# Altium PCB QTouch_test2.PcbDoc (continued)
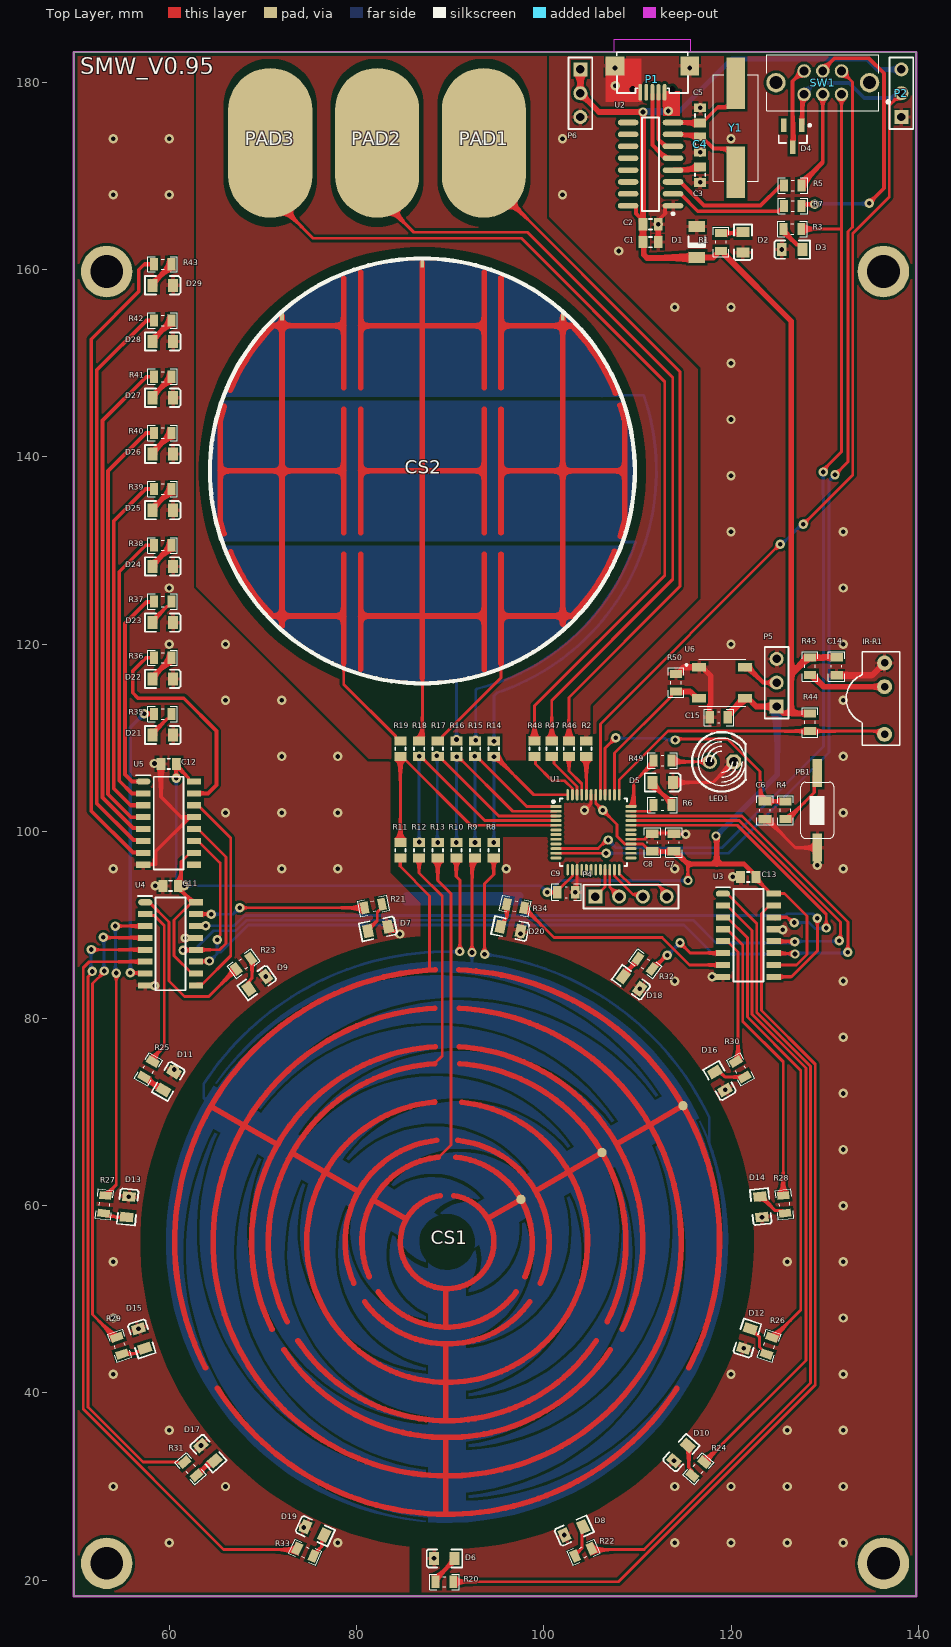
[diagram p0: Top Layer view]
## Part data
C1 C2 C3 C4 C5 C11 C12 C13: library part Cap, "CAP SMD 0805", LatestRevisionDate=17-Jul-2002, LatestRevisionNote="Re-released for DXP Platform.", PackageDescription="Radial Cap, Thru-Hole; 2 Leads; 0.3 in Pin Spacing", PackageReference=RAD-0.3, Published=8-Jun-2000, Publisher="Altium Limited"
C6 C7 C8 C9 C10 C15: library part "Cap ceramic", "CAP seramic"
C14: library part Cap, "CAP SMD 0603", LatestRevisionDate=17-Jul-2002, LatestRevisionNote="Re-released for DXP Platform.", PackageDescription="Radial Cap, Thru-Hole; 2 Leads; 0.3 in Pin Spacing", PackageReference=RAD-0.3, Published=8-Jun-2000, Publisher="Altium Limited"
CS1 CS2: library part "Header 6", "3 by 3 2D touch surface", LatestRevisionDate=17-Jul-2002, LatestRevisionNote="Re-released for DXP Platform.", Publisher="Altium Limited"
D1: "Zener Diode", Voltage="5.1 V", Company=E.P.I.L, Design Date=2011/11/02, Designer="Saeid Jorablo"
D2 D5: library part LED0, "LED SMD 0805 GREEN", LatestRevisionDate=08-Jul-2005, LatestRevisionNote="Mech Layer 1 removed.", PackageDescription="LED; 2 Leads", PackageReference=LED-0, Published=8-Jun-2000, Publisher="Altium Limited"
D3 D6 D7 D8 D9 D10 D11 D12 D13 D14 D15 D16 D17 D18 D19 D20 D21 D22 D23 D24 D25 D26 D27 D28 D29: library part LED0, "LED SMD 0805 RED", LatestRevisionDate=08-Jul-2005, LatestRevisionNote="Mech Layer 1 removed.", PackageDescription="LED; 2 Leads", PackageReference=LED-0, Published=8-Jun-2000, Publisher="Altium Limited"
IR-R1: library part "Header 3H", "Header, 3-Pin, Right Angle", LatestRevisionDate=17-Jul-2002, LatestRevisionNote="Re-released for DXP Platform.", Publisher="Altium Limited"
LED1: library part LED-W
P1: library part "USB MICRO", "USB Connector MICRO-B Type", Max Current=1600mA, Category=Connector, ComponentLink1Description=Datasheet, ComponentLink2Description=Reference, Designer="ABBAS BASEREH", Mounting Technology="Surface Mount\Through-Hole", Pin Count=5-7, Publisher="ABBAS BASEREH", Status=Unreleased, Update=1395-11-17
P2 P5 P6: "Header, 3-Pin", LatestRevisionDate=17-Jul-2002, LatestRevisionNote="Re-released for DXP Platform.", Publisher="Altium Limited"
P4: "Header, 4-Pin", LatestRevisionDate=17-Jul-2002, LatestRevisionNote="Re-released for DXP Platform.", Publisher="Altium Limited"
PAD1 PAD2 PAD3: library part "Test Point"
R1 R2 R3 R4 R5 R6 R7 R8 R9 R10 R11 R12 R13 R14 R15 R16 R17 R18 R19 R46 R47 R48 R50: library part Res1, "Resistor", LatestRevisionDate=17-Jul-2002, LatestRevisionNote="Re-released for DXP Platform.", PackageDescription="Axial Device, Thru-Hole; 2 Leads; 0.3 in Pin Spacing", PackageReference=AXIAL-0.3, Published=8-Jun-2000, Publisher="Altium Limited"
R20 R21 R22 R23 R24 R25 R26 R27 R28 R29 R30 R31 R32 R33 R34 R35 R36 R37 R38 R39 R40 R41 R42 R43 R44 R45 R49: library part Resistor, "RES SMD 0603", Part Number=RCS0805100KFKEA
SW1: library part "Switch - DPDT", "DPDT Switch"
U2: "USB Interface Integrated Circuit", Package=None, Availability="Not in stock", Check_prices=https://www.snapeda.com/parts/Ch340G/WCH/view-part/?ref=eda, MF=WCH, MP=Ch340G, Price=None, SnapEDA_Link=https://www.snapeda.com/parts/Ch340G/WCH/view-part/?ref=snap
U3 U4 U5: "74HC595 SMD", Manufacturer_Name=Nexperia, Mouser Part Number=N/A, Datasheet Link=https://componentsearchengine.com/Datasheets/2/74HC595D.pdf, Height=1.75mm, Manufacturer_Part_Number=74HC595D, Mouser Price/Stock=https://www.mouser.com/Search/Refine.aspx?Keyword=N%2FA
U6: "Intelligent control LED integrated light source", Package="Package Analog Devices", Availability=Unavailable, MF=Worldsemi, MP=WS2812-2020, Price=None, SnapEDA_Link=https://www.snapeda.com/parts/WS2812-2020/Worldsemi/view-part/2873751/?ref=snap
Y1: library part CRYSTAL, "Crystal"

## Free pads (board coordinates)
  round 5.5 hole 3.5: S(53.3,21.8) S(53.3,159.8) S(136.275,21.8) S(136.275,159.8)

## Via types
v1: diameter 1, hole 0.5, Top Layer to Bottom Layer, tented both sides, 157 vias

## Nets (pads, with @x,y where several pads share a name; then routed paths per layer and width w, separated by ;. In a path a pad name is that pad's centre, name@x,y a point inside that pad or via, vN(x,y) a via of type N, cw(c..) or ccw(c..) an arc to the next point about the centre after c; other vN are vias at no path point)
2D2_X1: CS2.4 R17.1 | length 12.2
  Top Layer w0.3: R17.1 88.84,109.65 89.165,109.975 89.165,110.15 95.425,116.41 95.425,117.95 95.425,118.975
2D2_X2: CS2.5 R18.1 | length 8.2
  Top Layer w0.3: R18.1 86.7,109.65 87.025,109.975 87.025,116.4 87.025,117.65
2D2_X3: CS2.6 R19.1 | length 11.4
  Top Layer w0.3: 78.625,118.45 78.625,117.975 78.625,115.7 84.175,110.15 84.175,109.975 84.5,109.65 R19.1
2D2_Y1: CS2.1 R14.1 | length 49.2
  Top Layer w0.3: R14.1 v1(94.675,109.625)
  Bottom Layer w0.3: v1(94.675,109.625) 94.675,114.476 95.007,114.809 ccw(c87.025,138.5) 110.684,146.578 ; 106.225,146.5 106.3,146.575 110.675,146.575
2D2_Y2: CS2.2 R15.1 | length 32.2
  Top Layer w0.3: R15.1 92.725,109.72 v1(92.725,109.725)
  Bottom Layer w0.3: v1(92.725,109.725) 92.725,115.083 92.863,115.221 ccw(c87.025,138.5) 109.788,130.895 108.555,130.895 107.675,131.775
2D2_Y3: CS2.3 R16.1 | length 9.1
  Top Layer w0.3: R16.1 90.66,109.785 v1(90.675,109.8)
  Bottom Layer w0.3: 90.65,118.7 90.675,118.675 v1(90.675,109.8)
2D_X1: CS1.4 R11.1 | length 13.7
  Top Layer w0.3: R11.1 84.675,96.225 87.8,93.1 87.8,85.384 87.976,85.208 88.402,85.208
2D_X2: CS1.5 R12.1 | length 23.3
  Top Layer w0.3: R12.1 86.67,95.555 89.15,93.075 89.15,76.001 88.339,75.189
2D_X3: CS1.6 R13.1 | length 33.5
  Top Layer w0.3: 88.348,65.139 88.72,65.139 88.743,65.162 90.08,66.499 90.08,93.334 88.665,94.749 R13.1
2D_Y1: CS1.1 R8.1 | length 48.2
  Top Layer w0.3: v1(93.67,86.877) 93.67,94.395 94.65,95.375 R8.1
  Bottom Layer w0.3: v1(93.67,86.877) cw(c89.671,56.136) 117.67,69.443 117.67,66.703 117.949,65.882 117.958,65.872 117.986,65.77 118.006,65.712 118.006,65.699 118.386,64.331 118.396,64.322 118.421,64.205 118.434,64.158 118.434,64.145 118.491,63.886 118.797,62.986
2D_Y2: CS1.2 R9.1 | length 12.1
  Top Layer w0.3: v1(92.325,87.05) 92.325,96.825 92.65,97.15 R9.1
  Bottom Layer w0.3: 92.1,85.325 92.325,85.55 v1(92.325,87.05)
2D_Y3: CS1.3 R10.1 | length 45.1
  Top Layer w0.3: R10.1 90.66,95.14 91.03,94.77 v1(91.03,87.165)
  Bottom Layer w0.3: CS1.3 63.68,71.512 63.68,73.032 cw(c89.671,56.136) v1@91.028,87.106
+5: C1.2 C2.2 C7.2 C8.2 C9.2 C10.2 C11.2 C12.2 C13.2 C14.2 C15.2 D1.2 P1.1 P1.H@113.7,179.25 P2.3 P5.1 P6.1 P6.2 R1.1 R44.1 R45.1 U1.14 U1.28 U1.42 U2.16 U3.10 U3.16 U4.10 U4.16 U5.10 U5.16 U6.4 | length 287.4
  Top Layer w0.3: v1(60.725,105.675) C12.2@60.725,107.171 ; C12.2 60.75,107.021 62.025,105.746 62.025,105.495 62.2,105.32 U5.16 ; C11.2@61.172,93.772 62.225,92.719 62.225,92.595 62.4,92.42 60.5,90.52 60.5,86.7 62.4,84.8 U4.10 ; C11.2@61.275,94.494 61.275,96.775 62.2,97.7 U5.10 ; v1(100.375,93.475) 101.425,93.475 C9.2 101.45,93.725 101.75,94.025 101.832,94.025 103.05,95.243 U1.14 ; U1.42 105.55,103 v1(106.3,102.25) 107.825,100.725 107.825,99.468 108.643,98.65 U1.28 110.575,98.65 111.375,97.85 C8.2 C7.2 ; 115.389,96.5 115.389,94.761 v1(115.4,94.75) ; C13.2 122.675,94.948 123.95,93.673 123.95,93.52 124.125,93.345 U3.16 125.705,93.345 128.1,90.95 128.1,86.829 126.996,85.725 U3.10
  Top Layer w0.4: U2.16 109.746,166.83 109.838,166.738 109.838,165.992 110.3,165.53 110.3,165.125 C2.2 ; P1.1@112.9,178.75 112.9,177.461 113.3,177.061 v1(113.3,176.95)
  Top Layer w0.5: C7.2 114.125,97.85 114.325,97.65 114.325,97.564 115.389,96.5 118.475,96.5 121.425,96.5 C13.2@122.7,95.225
  Top Layer w0.6: P6.1 P6.2 105.9,176.85 v1(110.6,176.85) 110.6,164.875 C2.2 C1.2 110.675,162.85 110.675,161.601 111.026,161.25 116.275,161.25 D1.2 118.1,161.3 R1.1@118.575,161.775 ; v1(118.4,99.5) 118.475,99.425 118.475,96.5 ; R1.1 119.15,162 119.275,161.875 119.275,161.65 126.425,154.5 126.425,116.775 ; C15.2 119.646,112.4 121.05,113.804 121.05,114.075 121.2,114.225 U6.4 121.8,114.225 122.69,113.335 P5.1 125.61,112.6 126.425,112.6 ; R44.1 126.425,112.6 ; C14.2 R45.1 128.225,118.575 126.425,116.775 ; 126.425,112.6 126.425,116.775
  Bottom Layer w0.3: v1(60.725,105.675) 60.725,95.025 v1(61.575,94.175) 99.675,94.175 v1(100.375,93.475) 100.506,93.475 101.781,94.75 v1(115.4,94.75)
  Bottom Layer w0.4: v1(110.6,176.85) v1@110.65,176.9 ; v1@113.25,176.9 v1(113.3,176.95)
  Bottom Layer w0.55: v1(113.3,176.95) 114.525,176.95 120.098,182.524 134.528,182.524 135.662,181.39 P2.3
  Bottom Layer w0.6: v1(118.4,99.5) 124.95,106.05 124.95,113.26 P5.1
  Bottom Layer w0.7: v1@110.65,176.9 v1@113.25,176.9
DO_1: U3.9 U4.14 | length 76.4
  Top Layer w0.3: U4.14 62.85,89.893 63.881,89.893 v1(63.894,89.906) ; U3.9 126.433,84.455 129.225,87.247 129.225,90.7 v1(129.2,90.725)
  Bottom Layer w0.3: v1(63.894,89.906) 66.918,89.906 68.012,91 125.76,91 125.96,91.2 128.725,91.2 v1(129.2,90.725)
DO_2: U4.9 U5.14 | length 23
  Top Layer w0.3: U5.14 63.075,102.78 66.55,99.305 66.55,86.7 63.555,83.705 63.012,83.705 U4.9
DO_3: U5.9
DTR: U2.13
GND: C1.1 C2.1 C3.1 C4.1 C5.1 C6.1 C7.1 C8.1 C9.1 C10.1 C11.1 C12.1 C13.1 C14.1 C15.1 D1.1 D2.2 D3.2 D5.2 D6.2 D7.2 D8.2 D9.2 D10.2 D11.2 D12.2 D13.2 D14.2 D15.2 D16.2 D17.2 D18.2 D19.2 D20.2 D21.2 D22.2 D23.2 D24.2 D25.2 D26.2 D27.2 D28.2 D29.2 IR-R1.1 LED1.K P1.5 P1.H@109.5,179.25 P2.1 P5.3 P6.3 PB1.1 R50.2 U1.15 U1.29 U1.43 U2.1 U3.8 U3.13 U4.8 U4.13 U5.8 U5.13 U6.2 | length 94.2
  Top Layer w0.3: U5.8 57.248,96.465 58.515,96.465 58.55,96.5 ; U4.8 57.428,83.515 58.435,83.515 v1(58.45,83.5) ; v1(58.4,107.25) 59.046,107.25 C12.1 ; v1(58.475,94.175) 59.294,94.175 C11.1 ; v1(61.7,88.607) 61.701,88.609 62.836,88.609 U4.13 ; v1(103.35,93.5) 103.55,93.7 U1.15 ; v1(104.35,102.25) 105.05,102.95 U1.43 ; U1.29 110.775,99.15 111.375,99.75 C8.1 111.675,99.825 113.825,99.825 113.95,99.7 v1(115.15,99.7) ; D5.2 118.083,105.225 LED1.K ; v1(117.975,84.45) 117.978,84.453 119.136,84.453 U3.8 ; v1(120.175,95.15) 120.998,95.15 C13.1 ; C6.1 123.85,101.3 126.9,98.25 PB1.1 129.2,98.225 v1(129.2,96.375) ; U3.13 124.58,89.517 125.507,89.517 v1(125.525,89.5)
  Top Layer w0.4: 58.55,96.5 58.55,97.86 U5.13@62.2,101.51 ; C12.1 59.1,103.685 61.275,101.51 U5.13@62.2,101.51 ; U5.13 U5.13@62.2,101.51 ; D7.2 83.777,89.415 83.777,89.381 83.838,89.32 84.168,89.32 84.463,89.025 v1(84.625,89.025) ; C1.1@112.225,163.075 v1(112.225,164.85) ; 112.5,165.53 112.962,165.992 112.962,166.738 113.054,166.83 U2.1 ; D1.1@115.925,164.2 D1.1
  Top Layer w0.6: R50.2 114.35,116.825 114.475,116.95 114.475,117.05 114.95,117.525 U6.2 116.9,117.525 117.85,116.575 117.85,113.568 117.746,113.464 C15.1 ; C14.1 135.09,116.675 IR-R1.1
  Bottom Layer w0.8: 85.25,92.45 97.309,92.45 ; 85.366,93.1 97.425,93.1
  other v1: 88.272,22.327 60,24 78,24 114,24 120,24 126,24 132,24 102.196,24.819 74.35,25.625 54,30 66,30 114,30 120,30 126,30 132,30 113.903,32.759 63.369,34.394 60,36 126,36 132,36 54,42 120,42 132,42 121.368,44.774 56.696,46.867 54,48 132,48 54,54 126,54 132,54 123.301,58.787 132,60 55.673,60.975 132,66 132,72 119.367,72.374 60.525,74.55 132,78 110.247,83.187 114,84 132,84 70.277,84.48 97.517,89.05 54,96 72,96 78,96 96,96 114,96 132,96 66,102 72,102 78,102 132,102 72,108 78,108 132,108 66,114 72,114 132,114 60,120 66,120 120,120 132,120 60,126 132,126 120,132 132,132 120,138 120,144 120,150 114,156 120,156 108,162 125.425,162.15 54,168 60,168 102,168 116.7,169.325 116.7,172.55 54,174 60,174 102,174 120,174 116.7,177.3 107.625,179.65 107.6,181.55 115.6,181.55
IR_RECIEVER: IR-R1.3 R44.2 U1.37 | length 32.2
  Top Layer w0.3: U1.37 108.05,105.47 113.28,110.7 135.734,110.7 136.069,110.365 IR-R1.3
IR_Transmitter: R49.2 U1.36 | length 6.1
  Top Layer w0.3: U1.36 109.6,102.65 109.6,105.225 111.725,107.35 R49.2
LED1: R6.1 U1.35 | length 2.8
  Top Layer w0.3: U1.35 111.275,102.15 111.725,102.6 R6.1
LEDs_DATA: U1.32 U3.14 | length 32.6
  Top Layer w0.3: U1.32 120.668,100.65 130.175,91.143 v1(130.175,89.675) ; U3.14@124.73,90.637 U3.14 126.006,90.805 126.561,90.25 v1(126.75,90.25)
  Bottom Layer w0.3: v1(126.75,90.25) 128.331,90.25 128.956,89.625 130.125,89.625 v1(130.175,89.675)
LEDs_RCLK: U1.33 U3.12 U4.12 U5.12 | length 122.7
  Top Layer w0.3: v1(61.45,87.3) 61.47,87.32 62.817,87.32 U4.12 64.397,87.34 64.407,87.35 65.368,87.35 66.05,88.031 66.05,97.265 63.075,100.24 U5.12 ; U1.33 110.793,101.15 120.875,101.15 131.7,90.325 131.7,88.45 v1(131.55,88.3) ; U3.12 124.595,88.232 126.786,88.232 v1(126.819,88.2)
  Bottom Layer w0.3: v1(61.45,87.3) 62.8,87.301 63.025,87.526 63.025,87.694 64.706,89.375 66.97,89.375 67.001,89.406 67.125,89.406 68.219,90.5 115.975,90.5 118.4,88.075 126.694,88.075 v1(126.819,88.2) 126.869,88.25 131.5,88.25 v1(131.55,88.3)
LEDs_SCLK: U1.34 U3.11 U4.11 U5.11 | length 119.6
  Top Layer w0.3: U5.11 63.075,98.97 65.425,96.62 65.425,88.939 65.1,88.614 v1(65.1,88.425) ; U4.11 62.877,86.11 64.235,86.11 v1(64.275,86.15) ; U1.34 121.157,101.65 128.391,94.416 132.5,90.307 132.5,87.906 132.475,87.881 v1(132.475,87.075) ; U3.11 124.61,86.947 126.78,86.947 v1(126.827,86.9)
  Bottom Layer w0.3: v1(64.275,86.15) 64.362,86.15 65.1,86.888 65.1,87.1 ; v1(65.1,88.425) 65.1,87.1 ; v1(132.475,87.075) 132.388,86.987 126.915,86.987 v1(126.827,86.9) 118.08,86.9 114.98,90 68.426,90 65.526,87.1 65.1,87.1
NetC4_2: C4.2 U2.7 Y1.1 | length 9.4
  Top Layer w0.4: U2.7 113.838,174.412 116.488,174.412 C4.2 116.875,174.2 118.125,172.95 119.7,172.95 120.5,172.15 Y1.1
NetC5_2: C5.2 U2.8 Y1.2 | length 9.5
  Top Layer w0.4: U2.8 113.835,175.685 116.665,175.685 C5.2 116.875,175.65 118.575,177.35 119.7,177.35 120.5,178.15 Y1.2
NetD2_1: D2.1 R1.2 | length 2.4
  Top Layer w0.3: R1.2 121.15,163.9 D2.1
NetD3_1: D3.1 R3.2 | length 3.2
  Top Layer w0.4: R3.2 125.6,164.125 127.075,162.65 127.3,162.65 127.625,162.325 D3.1
NetD4_3: D4.3 SW1.4 | length 8.8
  Top Layer w0.4: D4.3 126.6,176.467 126.576,176.49 126.576,180.127 SW1.4@127.8,181.35
NetD5_1: D5.1 R6.2 | length 3.4
  Top Layer w0.3: D5.1 111.6,105.05 R6.2@113.725,102.925 ; D5.1@111.75,105.05 D5.1@111.9,104.9
NetD6_1: D6.1 R20.1 | length 3.3
  Top Layer w0.3: R20.1 88.697,20.102 88.697,20.377 90.472,22.152 D6.1
NetD7_1: D7.1 R21.1 | length 3.5
  Top Layer w0.3: D7.1 81.227,89.49 82.2,90.463 82.2,91.359 82.713,91.871 R21.1
NetD8_1: D8.1 R22.1 | length 3.5
  Top Layer w0.3: R22.1 103.35,22.71 104.083,23.443 104.083,25.591 D8.1
NetD9_1: D9.1 R23.1 | length 3.5
  Top Layer w0.3: D9.1 68.449,83.236 68.449,83.912 68.819,84.282 68.819,86.282 R23.1
NetD10_1: D10.1 R24.1 | length 3.4
  Top Layer w0.3: D10.1 115.492,34.277 115.492,32.003 115.861,31.634 R24.1
NetD11_1: D11.1 R25.1 | length 2.7
  Top Layer w0.3: R25.1 57.651,73.754 59.031,72.374 D11.1
NetD12_1: D12.1 R26.1 | length 3.5
  Top Layer w0.3: D12.1 122.16,46.867 123.05,45.977 123.05,44.917 123.792,44.175 R26.1
NetD13_1: D13.1 R27.1 | length 2.6
  Top Layer w0.3: R27.1 53.283,58.887 54.114,58.887 54.213,58.787 D13.1
NetD14_1: D14.1 R28.1 | length 3.4
  Top Layer w0.3: D14.1 123.227,60.975 124.711,59.49 125.479,59.49 R28.1
NetD15_1: D15.1 R29.1 | length 2.7
  Top Layer w0.3: R29.1 55.022,44.214 56.467,44.214 57.027,44.774 D15.1
NetD16_1: D16.1 R30.1 | length 3.4
  Top Layer w0.3: D16.1 118.826,74.28 119.351,73.754 120.813,73.754 120.832,73.735 121.438,73.735 R30.1
NetD17_1: D17.1 R31.1 | length 2.6
  Top Layer w0.3: R31.1 62.9,31.198 64.461,32.759 D17.1
NetD18_1: D18.1 R32.1 | length 2.6
  Top Layer w0.3: D18.1 108.467,84.646 110.058,86.237 R32.1
NetD19_1: D19.1 R33.1 | length 2.7
  Top Layer w0.3: R33.1 75.394,22.71 76.273,23.589 76.273,24.544 D19.1
NetD20_1: D20.1 R34.1 | length 2.7
  Top Layer w0.3: D20.1 95.365,90.078 96.032,90.744 R34.1
NetD21_1: D21.1 R35.1 | length 3.2
  Top Layer w0.3: D21.1 58.2,110.452 59.781,112.033 59.96,112.033 60.235,112.308 R35.1
NetD22_1: D22.1 R36.1 | length 3.2
  Top Layer w0.4: D22.1 58.2,116.458 59.831,118.089 60.01,118.089 60.235,118.314 R36.1
NetD23_1: D23.1 R37.1 | length 3.2
  Top Layer w0.3: D23.1 58.2,122.464 59.781,124.045 59.96,124.045 60.235,124.32 R37.1
NetD24_1: D24.1 R38.1 | length 3.2
  Top Layer w0.4: D24.1 58.2,128.47 59.831,130.101 60.01,130.101 60.235,130.326 R38.1
NetD25_1: D25.1 R39.1 | length 3.2
  Top Layer w0.4: D25.1 58.2,134.476 59.831,136.107 60.01,136.107 60.235,136.332 R39.1
NetD26_1: D26.1 R40.1 | length 3.2
  Top Layer w0.4: D26.1 58.2,140.482 59.831,142.113 60.01,142.113 60.235,142.338 R40.1
NetD27_1: D27.1 R41.1 | length 3.2
  Top Layer w0.4: D27.1 58.2,146.488 59.831,148.119 60.01,148.119 60.235,148.344 R41.1
NetD28_1: D28.1 R42.1 | length 3.2
  Top Layer w0.4: D28.1 58.2,152.494 59.831,154.125 60.01,154.125 60.235,154.35 R42.1
NetD29_1: D29.1 R43.1 | length 3.2
  Top Layer w0.4: D29.1 58.2,158.5 59.831,160.131 60.01,160.131 60.235,160.356 R43.1
NetIR-R1_2: IR-R1.2 R45.2 | length 8.5
  Top Layer w0.6: R45.2 128.675,116.675 129.905,115.445 IR-R1.2
NetLED1_A: LED1.A R49.1 | length 4.2
  Top Layer w0.3: R49.1 113.775,107.425 LED1.A
NetP4_1: P4.1 U1.21 | length 3.3
  Top Layer w0.3: P4.1 106.55,94.065 U1.21
NetP4_2: P4.2 U1.22 | length 3.3
  Top Layer w0.3: U1.22 107.05,94.025 P4.2
NetP4_3: P4.3 U1.23 | length 4.6
  Top Layer w0.3: U1.23 107.55,95.243 109.538,93.255 110.36,93.255 P4.3
NetP4_4: P4.4 U1.24 | length 6.7
  Top Layer w0.3: U1.24 108.05,95.45 108.1,95.45 109.25,94.3 112.175,94.3 113.13,93.345 P4.4
NetPB1_2: PB1.2 R4.2 | length 6.5
  Top Layer w0.3: R4.2 126.05,101.3 128.875,104.125 128.875,105.9 PB1.2
NetR2_1: R2.1 U1.44 | length 4.1
  Top Layer w0.3: R2.1 104.55,107.975 U1.44
NetR5_1: R5.1 SW1.2 | length 10.8
  Top Layer w0.4: R5.1 127.55,169.225 129.8,171.475 SW1.2@129.8,178.85
NetR7_1: R7.1 SW1.5 | length 29.6
  Top Layer w0.4: R7.1 127.725,166.975 v1(128.925,166.975) ; SW1.5@129.8,181.35 131.023,182.574 134.752,182.574 136.35,180.975 136.35,168.7 v1(134.75,167.1)
  Bottom Layer w0.4: v1(128.925,166.975) 128.987,167.038 134.687,167.038 v1(134.75,167.1)
NetR8_2: R8.2 R14.2 U1.48 | length 18.8
  Top Layer w0.3: R14.2 v1(94.675,107.975) 94.85,107.975 98.925,103.9 U1.48
  Bottom Layer w0.3: v1(94.65,98.8) 94.662,98.813 94.662,107.962 v1(94.675,107.975)
NetR9_2: R9.2 R15.2 U1.1 | length 20.2
  Top Layer w0.3: R15.2 92.65,108 v1(92.625,108.025) 92.805,108.025 98.18,102.65 U1.1
  Bottom Layer w0.3: v1(92.625,108.025) 92.64,108.01 92.64,98.815 v1(92.655,98.8)
NetR10_2: R10.2 R16.2 U1.2 | length 22.2
  Top Layer w0.3: R16.2 90.66,107.99 v1(90.7,107.95) 90.885,107.95 96.685,102.15 U1.2
  Bottom Layer w0.3: v1(90.66,98.8) 90.68,98.82 90.68,107.93 v1(90.7,107.95)
NetR11_2: R11.2 R19.2 U1.5 | length 28.9
  Top Layer w0.3: R11.2 R19.2 84.85,108 92.2,100.65 U1.5
NetR12_2: R12.2 R18.2 U1.4 | length 26.7
  Top Layer w0.3: R18.2 86.67,108.02 v1(86.675,108.025) 86.82,108.025 93.695,101.15 U1.4
  Bottom Layer w0.3: v1(86.675,98.85) v1(86.675,108.025)
NetR13_2: R13.2 R17.2 U1.3 | length 24.8
  Top Layer w0.3: R17.2 88.65,108 v1(88.575,108.075) 88.765,108.075 95.19,101.65 U1.3
  Bottom Layer w0.3: v1(88.575,108.075) 88.62,108.03 88.62,98.845 v1(88.665,98.8)
NetR20_2: R20.2 U3.15 | length 101.8
  Top Layer w0.3: R20.2 107.977,19.827 129,40.85 129,75.114 123.25,80.864 123.25,91.2 124.125,92.075 U3.15
NetR21_2: R21.2 U4.15 | length 18.3
  Top Layer w0.3: U4.15 v1(64.475,91.15) ; v1(67.5,91.832) R21.2
  Bottom Layer w0.3: v1(64.475,91.15) 66.818,91.15 v1(67.5,91.832)
NetR22_2: R22.2 U3.1 | length 87.2
  Top Layer w0.3: R22.2 105.177,23.277 110.72,23.277 128.5,41.057 128.5,74.907 122.75,80.657 122.75,90.171 119.576,93.345 U3.1
NetR23_2: R23.2 U4.1 | length 18.8
  Top Layer w0.3: U4.1 57.85,92.42 59.95,90.32 59.95,84.025 61.625,82.35 64.202,82.35 R23.2
NetR24_2: R24.2 U3.2 | length 67.9
  Top Layer w0.3: R24.2 128,43.477 128,74.7 122.25,80.45 122.25,89.4 119.576,92.075 U3.2
NetR25_2: R25.2 U4.2 | length 17.6
  Top Layer w0.3: U4.2 57.569,90.994 58.381,90.994 59.45,89.925 59.45,77.043 58.237,75.83 R25.2
NetR26_2: R26.2 U3.3 | length 49.9
  Top Layer w0.3: U3.3 119.576,90.805 121.75,88.63 121.75,80.15 127.45,74.45 127.45,48.878 124.524,45.951 R26.2
NetR27_2: R27.2 U4.3 | length 32.5
  Top Layer w0.3: R27.2 54.332,62.248 v1(54.332,84.856) ; v1(54.2,89.875) 54.203,89.877 57.41,89.877 U4.3
  Bottom Layer w0.3: v1(54.2,89.875) 54.231,89.844 54.231,84.957 v1(54.332,84.856)
NetR28_2: R28.2 U3.4 | length 31.4
  Top Layer w0.3: U3.4 119.576,89.535 121.25,87.86 121.25,79.7 125.573,75.377 R28.2
NetR29_2: R29.2 U4.4 | length 48.9
  Top Layer w0.3: v1(52.95,88.675) 52.983,88.642 57.38,88.642 U4.4 ; v1(53.05,85.07) 53.05,84.988 51.8,83.738 51.8,48.372 54.22,45.951 R29.2
  Bottom Layer w0.3: v1(52.95,88.675) 53,88.625 53,85.12 v1(53.05,85.07)
NetR30_2: R30.2 U3.5 | length 13.9
  Top Layer w0.3: U3.5 119.576,88.265 120.75,87.09 120.75,75.643 R30.2
NetR31_2: R31.2 U4.5 | length 67.8
  Top Layer w0.3: v1(51.65,87.375) 51.668,87.357 57.395,87.357 U4.5 ; v1(51.75,85.031) 51.75,84.911 51.3,84.461 51.3,38.482 57.172,32.61 60.874,32.61 61.025,32.459 61.461,32.459 R31.2
  Bottom Layer w0.3: v1(51.65,87.375) 51.616,87.341 51.616,85.165 v1(51.75,85.031)
NetR32_2: R32.2 U3.6 | length 9.2
  Top Layer w0.3: R32.2 111.646,85.298 113.099,86.75 v1(113.2,86.75) ; v1(114.544,88.094) 115.642,86.995 U3.6
  Bottom Layer w0.3: v1(113.2,86.75) v1(114.544,88.094)
NetR33_2: R33.2 U4.6 | length 83.1
  Top Layer w0.3: U4.6 51.445,86.07 50.8,85.425 50.8,38.275 65.798,23.277 73.567,23.277 R33.2
NetR34_2: R34.2 U3.7 | length 23.8
  Top Layer w0.3: R34.2 101.072,88.65 112.644,88.65 115.569,85.725 U3.7
NetR35_2: R35.2 U4.7 | length 30.9
  Top Layer w0.3: v1(55.825,84.9) 55.875,84.85 57.363,84.85 U4.7 ; R35.2@58.318,112.55 R35.2
  Top Layer w0.4: v1(57.3,112.55) R35.2@58.318,112.55
  Bottom Layer w0.4: v1(55.825,84.9) 55.825,111.075 v1(57.3,112.55)
NetR36_2: R36.2 U5.15 | length 24.3
  Top Layer w0.4: R36.2 57.489,118.539 56.075,117.125 56.075,114.8 56.65,114.225 61.525,114.225 65.025,110.725 65.025,104.95 64.125,104.05 U5.15
NetR37_2: R37.2 U5.1 | length 22.5
  Top Layer w0.4: U5.1 56.005,105.32 55.25,106.075 55.25,122.2 57.544,124.494 58.284,124.494 R37.2
NetR38_2: R38.2 U5.2 | length 30.3
  Top Layer w0.4: U5.2 56,104.05 54.65,105.4 54.65,127.725 57.476,130.551 R38.2
NetR39_2: R39.2 U5.3 | length 38.2
  Top Layer w0.4: U5.3 55.841,102.78 54.05,104.571 54.05,133.15 57.457,136.557 R39.2
NetR40_2: R40.2 U5.4 | length 45.9
  Top Layer w0.4: U5.4 55.894,101.51 53.45,103.954 53.45,138.5 57.513,142.563 R40.2
NetR41_2: R41.2 U5.5 | length 53.4
  Top Layer w0.4: U5.5 57.088,100.365 56.11,100.365 52.85,103.625 52.85,143.875 57.544,148.569 R41.2
NetR42_2: R42.2 U5.6 | length 61.2
  Top Layer w0.4: U5.6 57.124,99.059 56.166,99.059 52.25,102.975 52.25,149.275 57.544,154.569 58.329,154.569 R42.2
NetR43_2: R43.2 U5.7 | length 69.2
  Top Layer w0.4: U5.7 57.189,97.724 56.101,97.724 51.65,102.175 51.65,152.575 56.73,157.655 56.73,160.001 57.31,160.581 R43.2
NetR46_2: R46.2 U1.45 | length 4.7
  Top Layer w0.3: R46.2 102.683,106.442 104.05,105.075 U1.45
NetR47_2: R47.2 U1.46 | length 5.2
  Top Layer w0.3: R47.2 101.074,107.767 101.074,107.251 103.55,104.775 U1.46
NetR48_2: R48.2 U1.47 | length 6.5
  Top Layer w0.3: R48.2 99.099,107.901 99.099,107.201 100.9,105.4 102.207,105.4 103.05,104.557 U1.47
NetU1_6: U1.6
NetU1_7: U1.7
NetU1_8: U1.8
PAD1: PAD1.1 R46.1 | length 77.5
  Top Layer w0.3: PAD1.1 93.6,170.05 114.55,149.1 114.55,126.175 102.683,114.308 R46.1
PAD2: PAD2.1 R47.1 | length 89.5
  Top Layer w0.3: PAD2.1 82.187,167.913 86.1,164 98.25,164 113.776,148.474 113.776,126.926 100.842,113.992 R47.1
PAD3: PAD3.1 R48.1 | length 100.2
  Top Layer w0.3: PAD3.1 70.775,167.925 75.35,163.35 97.6,163.35 112.925,148.025 112.925,127.339 99,113.414 R48.1
RST: C6.2 R4.1 U1.40 | length 29.3
  Top Layer w0.3: U1.40 106.55,108.875 v1(107.675,110) ; v1(114.025,109.75) 114.15,109.875 119.613,109.875 123.1,106.388 123.1,103.5 123.4,103.2 R4.1
  Bottom Layer w0.3: v1(107.675,110) 107.738,109.937 112.925,109.937 113.075,109.787 113.988,109.787 v1(114.025,109.75)
RTS: U2.14
RXD: R5.2 U2.3 | length 13.8
  Top Layer w0.4: U2.3 114.6,169.37 117.12,166.85 123.15,166.85 125.2,168.9 125.425,168.9 R5.2@125.65,169.125
RXD1: SW1.6 U1.11 | length 108
  Top Layer w0.3: U1.11 106.4,97.65 v1(106.65,97.65) ; v1(131.1,138.075) 132.5,139.475 132.5,164.068 132.974,164.541 132.974,180.052 SW1.6
  Bottom Layer w0.3: v1(106.65,97.65) 119.719,97.65 130.475,108.406 130.475,137.45 v1(131.1,138.075)
SHIELD: R2.2
TXD: R7.2 U2.2 | length 13.1
  Top Layer w0.4: U2.2 114.6,168.1 116.45,166.25 125.075,166.25 R7.2@125.65,166.825 ; R7.2 R7.2@125.65,167.025
TXD1: R3.1 SW1.1 U1.10 | length 108.6
  Top Layer w0.3: U1.10 105.806,98.15 106.731,99.075 v1(106.875,99.075) ; R3.1 131.725,164.35 131.8,164.275 ; v1(129.837,138.382) 129.837,138.572 130.325,139.06 130.325,139.075 131.8,140.55 131.8,164.275 ; SW1.1 131.8,164.275
  Bottom Layer w0.3: v1(106.875,99.075) 107.7,98.25 119.05,98.25 129.875,109.075 129.875,135.939 129.837,135.977 v1(129.837,138.382)
UPDI: D4.1 P2.2 SW1.3 U1.41 | length 103.7
  Top Layer w0.3: U1.41 106.05,111.475 v1(125.25,130.675) ; v1(127.725,132.8) 133,138.075 133,163.861 136.9,167.761 136.9,177.55 P2.2
  Top Layer w0.4: D4.1 127.65,175.525 127.65,178.7 SW1.3@127.8,178.85
  Bottom Layer w0.3: v1(125.25,130.675) 125.425,130.675 127.55,132.8 v1(127.725,132.8)
  Bottom Layer w0.4: SW1.3@127.8,178.85 128.899,179.949 132.627,179.949 134.225,178.35 137.201,178.35 137.49,178.64 137.99,178.64 P2.2
USB_D+: P1.3 U2.5 | length 8.2
  Top Layer w0.4: P1.3@111.6,178.75 111.6,173.31 113,171.91 U2.5
USB_D-: P1.2 U2.6 | length 6.7
  Top Layer w0.4: P1.2@112.25,178.75 112.25,173.93 113,173.18 U2.6
V3_ch340: C3.2 U2.4 | length 2.9
  Top Layer w0.4: U2.4 113.838,170.678 116.628,170.678 C3.2@116.7,170.75
WS2812: R50.1 U1.38 U6.3 | length 17
  Top Layer w0.3: U1.38@107.55,103.6 U1.38 107.55,108.35 113.625,114.425 113.625,114.65 113.9,114.925 R50.1
  Top Layer w0.6: R50.1 115.675,114.925 116.15,114.45 116.15,114.375 116.3,114.225 U6.3
WS_DO: P5.2 U6.1 | length 4.1
  Top Layer w0.4: U6.1 121.8,117.525 123.45,115.875 P5.2
pads on no net: D4.2 P1.4 SW1.MH1 SW1.MH2 U1.9 U1.12 U1.13 U1.16 U1.17 U1.18 U1.19 U1.20 U1.25 U1.26 U1.27 U1.30 U1.31 U1.39 U2.9 U2.10 U2.11 U2.12 U2.15

## Polygon pours and split planes (outlines as drawn)
GND on Top Layer "GND_L01_P000" (solid, remove dead copper, pour order 0): 49.825,183.2 62.575,183.25 62.575,126.025 81.175,107.425 105.275,107.425 105.275,113.35 116.775,124.85 116.775,149.5 100.6,165.675 100.6,183.2 139.775,183.25 139.692,18.2 49.767,18.2
SHIELD on Top Layer "SHIELD_L01_P002" (solid, remove dead copper, pour order 2): 100.6,183.25 100.6,165.675 116.775,149.5 116.775,124.85 105.275,113.35 105.275,107.425 81.175,107.425 62.575,126.025 62.575,183.25
GND on Bottom Layer "GND_L02_P001" (solid, remove dead copper, pour order 1): 49.825,183.275 139.742,183.275 139.742,18.275 49.767,18.275

## Keep-outs
Keep-Out Layer:
  the board outline again, w0.254

## Other copper
Top Layer:
  rectangle net GND: 106.6,177.9 110.45,182.575
  pour cut-out: 87.025,114.573 cw(c87.025,138.5) 63.098,138.5 cw(c87.025,138.5) 87.025,162.427 cw(c87.025,138.5) 110.952,138.5 cw(c87.025,138.5)
  pour cut-out: 122.471,56.136 ccw(c89.671,56.136) 89.671,88.936 ccw(c89.671,56.136) 56.871,56.136 ccw(c89.671,56.136) 89.671,23.336 ccw(c89.671,56.136)
  pour cut-out: 83.6,107.4 83.575,107.375 83.575,95.575 86.775,92.375 86.775,88.8 94.925,88.8 95.125,88.6 95.675,89.15 95.675,99.375 101.8,99.375 101.925,99.5 101.925,103.275 104.85,103.275 104.925,103.35 104.9,103.375 104.9,107.675
  region net +5: 114.5,179.05 114.5,176.45 112.775,176.45 112.775,179.05
  pour cut-out: 86.95,23.7 86.95,18.475 86.9,18.525 85.6,18.525 85.6,23.85 85.5,23.95
Bottom Layer:
  pour cut-out: 100.6,182.815 100.6,165.675 116.775,149.5 116.775,124.85 105.275,113.35 105.275,107.575 105.05,107.35 104.975,107.425 81.175,107.425 62.575,126.025 62.575,182.815
  pour cut-out: 87.025,114.573 cw(c87.025,138.5) 63.098,138.5 cw(c87.025,138.5) 87.025,162.427 cw(c87.025,138.5) 110.952,138.5 cw(c87.025,138.5)
  pour cut-out: 122.471,56.136 ccw(c89.671,56.136) 89.671,88.936 ccw(c89.671,56.136) 56.871,56.136 ccw(c89.671,56.136) 89.671,23.336 ccw(c89.671,56.136)
  pour cut-out: 81.75,161.237 81.75,165.913 83.225,165.913 83.225,161.237
  pour cut-out: 93.1,178.587 93.1,183.263 94.575,183.263 94.575,178.587
  pour cut-out: 81.4,178.462 81.4,183.138 82.875,183.138 82.875,178.462
  pour cut-out: 69.95,178.512 69.95,183.188 71.425,183.188 71.425,178.512
  pour cut-out: 83.575,114.711 83.575,95.575 86.775,92.375 86.775,88.8 94.925,88.8 95.125,88.6 95.675,89.15 95.675,99.375 101.8,99.375 101.925,99.5 101.925,103.275 104.85,103.275 104.925,103.35 104.9,103.375 104.9,114.986
  pour cut-out: 86.95,23.7 86.95,18.475 86.9,18.525 85.6,18.525 85.6,23.85 85.5,23.95

## Silkscreen, mask and mechanical layers (free items; w line width, h text height)
Top Overlay:
  text "SMW_V0.95" at 50.45,180.311 h3
Mechanical 4:
  circle w0.2: c191.3,21.8 r1.75
  circle w0.2: c53.3,21.8 r1.75
  circle w0.2: c53.3,159.8 r1.75
  circle w0.2: c191.3,159.8 r1.75
  circle w0.2: c109.85,84.675 r3
  circle w0.2: c119.725,73.75 r3
  circle w0.2: c122.75,45.5 r3
  circle w0.2: c124.225,60.025 r3
  circle w0.2: c115.55,32.9 r3
  circle w0.2: c103.6,24.225 r3
  circle w0.2: c75.075,24.125 r3
  circle w0.2: c63.425,32.7 r3
  circle w0.2: c55.925,45.475 r3
  circle w0.2: c54.5,60 r3
  circle w0.2: c58.925,73.8 r3
  circle w0.2: c68.7,84.775 r3
  circle w0.2: c82.125,90.675 r3
  circle w0.2: c96.525,90.65 r3

## Text inside footprints (layer, text, board x,y; h text height)
P1: Mechanical 1 "PCB EDGE" at 109.187,183.498 h0.7